# KiCad board 6502.kicad_pcb (continued)
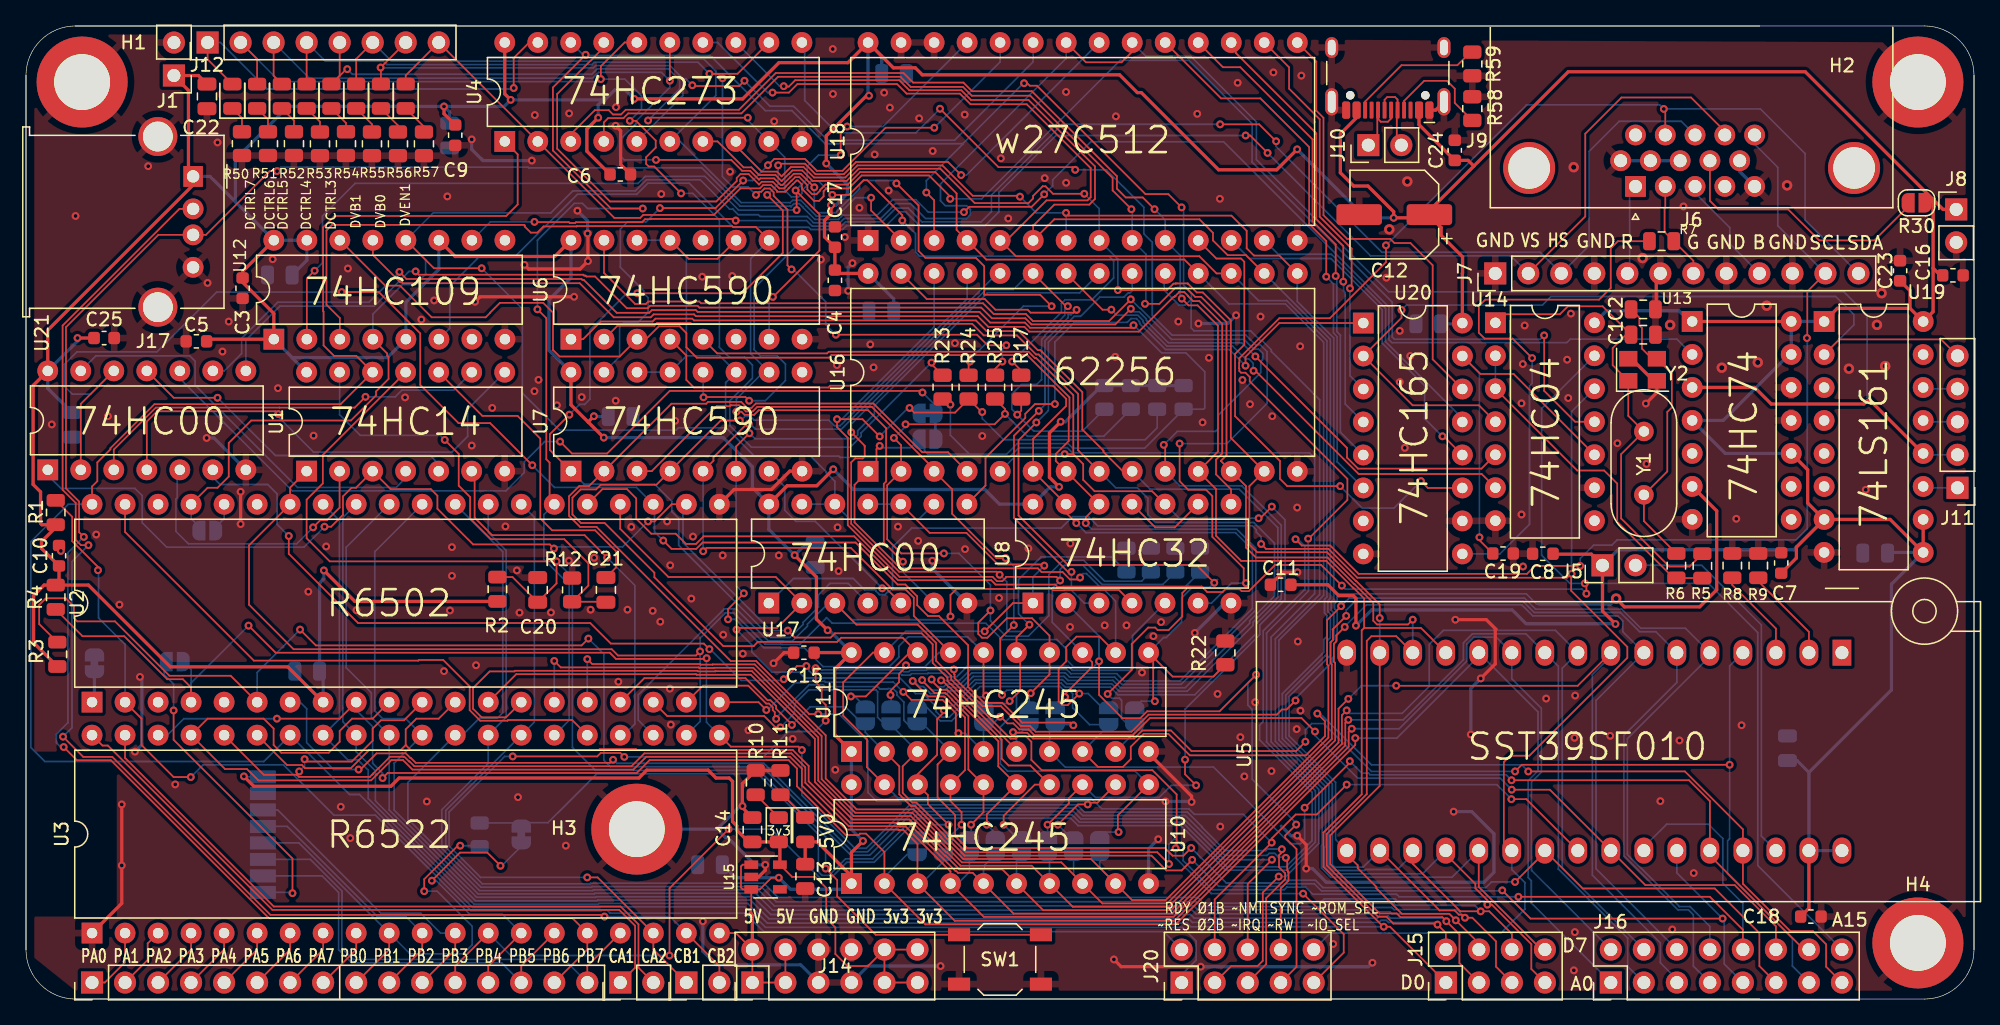
[diagram p0: board, top side]
## Routing (per net, layer and track width the routed paths; a pad name or vN(x,y) marks a point on that pad's centre or on a via; arc(x,y) is an arc through that point) (continued)
SYNC: length 93.9
  Top w0.13: v1(96.92,10.88) 97.03,10.77 97.03,9.9 97.1,9.83 97.1,9.82 97.11,9.8 97.11,9.77 97.12,9.76 97.12,9.12 96.52,8.52 J20.8 ; v1(25.58,17.67) 25.72,17.67 26.97,18.92 28.94,18.92 28.94,18.92 29.21,18.92 29.58,18.56 29.61,18.56 29.98,18.19 44.93,18.19 v1(45.16,18.42)
  Bottom w0.13: v1(25.58,17.67) 23.66,17.67 21.59,19.74 21.59,22.35 21.08,22.86 ; v1(96.92,10.88) 96.86,10.93 96.34,10.93 96.05,11.22 95.64,11.22 95.48,11.06 92.24,11.06 91.76,11.54 91.76,11.57 89.19,14.13 81.3,14.13 80.73,14.7 68.11,14.7 64.74,11.34 63.58,11.34 56.77,18.15 45.43,18.15 v1(45.16,18.42)
VB0: length 67.4
  Top w0.13: DVB0.2 27.31,71.65 ; 27.31,71.65 27.28,71.68 v1(27.28,71.73) ; 27.31,71.65 27.31,71.75 J12.7 ; v1(55.27,70.71) 54.87,70.31 51.32,70.31 v1(51.26,70.37)
  Bottom w0.13: v1(55.27,70.71) 57.24,68.75 59.06,68.75 61.67,66.13 71.43,66.13 77.48,72.18 U18.23 ; U4.5 50.54,69.59 50.54,70.87 ; v1(51.26,70.37) 50.75,70.87 50.54,70.87 ; 50.54,70.87 49.53,71.88 43.83,71.88 43.65,71.7 27.31,71.7 v1(27.28,71.73)
VB1: length 60.9
  Top w0.13: U18.2 65.01,60.72 v1(65.01,61.71) ; DVB1.2 25.4,72.39 J12.6
  Bottom w0.13: J12.6 28.11,72.22 43.44,72.22 43.61,72.4 52.13,72.4 53.07,71.45 53.07,69.58 U4.6 50.31,66.04 55.03,61.32 58.79,61.32 58.97,61.51 59.6,61.51 60.04,61.07 60.04,61.06 60.8,60.29 62.39,60.29 63.8,61.71 v1(65.01,61.71)
VEN: length 125.1
  Top w0.13: DVEN1.2 29.21,71.12 J12.8 U4.2 45.26,60.15 47.25,60.15 47.48,60.38 52.92,60.38 54.96,62.42 56.46,62.42 56.71,62.68 57.34,62.68 57.78,62.23 57.78,62.16 58.42,62.16 58.71,62.46 58.71,62.47 59,62.76 59.01,62.76 59.28,63.03 59.39,63.03 59.68,62.74 59.68,62.49 59.7,62.47 59.7,62.38 60.62,61.47 61.01,61.47 61.36,61.81 61.36,62.21 61.57,62.42 63.29,62.42 64.29,63.42 69.47,63.42 71.1,61.79 v1(71.1,61.62) ; v1(116.79,51.1) 116.79,46.84 119.17,44.45 U14.11
  Bottom w0.13: v1(71.1,61.62) 73.51,61.62 84.17,72.28 89.45,72.28 94.32,67.41 94.32,64.44 105.11,53.66 105.11,50.98 105.28,50.8 116.49,50.8 v1(116.79,51.1)
VIACS1: length 29.7
  Top w0.13: 34.51,40.42 34.51,37.06 35.86,35.72 42.97,35.72 v1(44.71,33.98)
  Bottom w0.13: v1(44.71,33.98) 46.84,31.85 46.84,21.18 45.98,20.32
VSYNC: length 126.8
  Top w0.13: 130.63,66.88 128.09,69.42 122.74,69.42 119.95,66.64 119.95,60.26 J7.2 ; v1(95.51,65.16) 94.17,66.5 v1(93.83,66.5)
  Bottom w0.13: J7.2 114.23,57.22 103.45,57.22 v1(95.51,65.16) ; U12.6 32.6,51.64 32.6,54.9 34.82,57.12 37.57,57.12 42.42,61.97 46.99,61.97 47.84,62.83 51.02,62.83 54.42,59.43 60.2,59.43 60.37,59.25 62.82,59.25 63.12,59.56 66.18,59.56 67.22,60.61 67.69,60.61 68.79,59.51 73.74,59.51 74.85,60.62 74.85,62.11 79.24,66.5 v1(93.83,66.5)
~{IO_SEL}: length 108.4
  Top w0.13: J20.9 101.37,3.57 101.37,4.99 v1(98.25,8.12) ; v1(88.44,11.6) 88.52,11.68 88.52,15.76 86.66,17.62 78.14,17.62 77.34,18.42 77.34,19.81 76.92,20.24 76.32,20.24 76.14,20.06 75.73,20.06 75.6,20.19 75.59,20.19 71.18,24.6 71.18,24.88 70.01,26.05 70.01,27.42 68.6,28.83 63.88,28.83 U17.3 ; v1(71.12,29.46) 71.12,31.11 71.58,31.58 78.91,31.58 79.01,31.48 79.87,31.48 79.89,31.5 84.07,31.5 U8.4
  Bottom w0.13: v1(71.12,29.46) 70.87,29.21 63.51,29.21 U17.3 ; v1(98.25,8.12) 91.2,8.12 88.44,10.87 v1(88.44,11.6) ; 61.74,30.49 60.12,28.87 60.12,28.72 58.97,27.57 58.27,27.57 58.26,27.57 58.17,27.57 58.17,27.58 57.1,27.58 54.7,29.98 54.67,29.98 54.6,30.05 53.73,30.05 47.1,23.42 47.1,21.48 U3.23
~{IRQ}: length 131.4
  Top w0.13: R4.2 4.35,27.94 7.56,27.94 10.87,24.62 12.07,24.62 12.7,23.99 U2.4 ; U3.21 54.22,19.44 59.43,19.44 v1(59.69,19.17) ; v1(52.36,26.25) 52.31,26.19 45.38,26.19 44.91,26.67 19.2,26.67 v1(17.12,28.75) ; J20.5 95.4,2.68 95.4,7.76 96.86,9.22 96.86,9.68 96.39,10.15 96.39,11.07 96.53,11.21 96.53,11.46 v1(96.61,11.54)
  Bottom w0.13: v1(59.69,19.17) 59.69,19.17 59.69,15.69 63.78,11.61 64.64,11.61 68,14.96 80.85,14.96 81.42,14.39 89.35,14.39 90.47,13.27 90.47,13.22 92.02,11.67 92.02,11.65 92.24,11.43 95.38,11.43 95.51,11.55 96.59,11.55 v1(96.61,11.54) ; U3.21 52.35,21.31 52.35,26.23 v1(52.36,26.25) ; R29.2 12.7,25.37 U2.4 12.7,24.33 v1(17.12,28.75)
~{NMI}: length 129
  Top w0.13: R3.2 1.02,28.88 1.02,30.35 1.52,30.86 3.05,30.86 3.68,30.23 3.68,29.34 3.94,29.08 6.84,29.08 11.04,24.89 15.75,24.89 U2.6 ; v1(43.26,27.76) 42.74,27.23 22.3,27.23 v1(21.08,28.45) ; J20.6 93.98,8.87 v1(95.85,10.73)
  Bottom w0.13: U2.6 17.78,25.15 v1(21.08,28.45) ; v1(43.26,27.76) 44.46,26.56 44.46,18.38 44.95,17.89 56.64,17.89 63.46,11.08 64.9,11.08 68.27,14.44 80.58,14.44 81.15,13.87 89.06,13.87 92.2,10.73 v1(95.85,10.73)
~{RES}: length 184.5
  Top w0.13: U2.40 5.08,39.47 5.49,39.88 5.49,41.32 6.49,42.33 6.49,42.42 9.88,45.81 24.2,45.81 U1.12 25.41,49.53 23.69,49.53 22.89,50.33 22.89,52.94 22.85,52.98 22.85,59.42 23.74,60.3 36.94,60.3 37.82,61.18 37.82,65.05 U4.1
  Bottom w0.13: U2.40 3.25,38.1 0.38,35.23 0.38,19.36 1.45,18.29 18.29,18.29 U3.34 24.89,15.75 25.65,15.75 34.35,7.05 44.14,7.05 44.19,7.1 55.31,7.1 56.89,5.52 88.97,5.52 90.02,4.47 90.02,3 88.9,1.88
~{ROM_SEL}: length 135.6
  Top w0.13: 118.87,32.77 118.87,31.44 123.19,27.12 123.19,26.28 115.65,18.74 114.17,18.74 113.69,18.25 113.69,12.04 U5.22 ; 118.87,32.77 118.55,32.45 102.42,32.45 100.2,34.66 95.39,34.66 v1(95.02,35.04) ; 118.87,32.77 v1(118.9,32.74)
  Bottom w0.13: U14.12 118.9,45.23 v1(118.9,32.74) ; U17.1 59.03,32.38 63.64,32.38 64.51,31.51 65.37,31.51 65.37,31.42 65.66,31.13 66.07,31.13 66.3,31.36 66.37,31.36 66.66,31.65 66.66,34.8 68.13,36.27 79.64,36.27 80.52,37.15 81.73,37.15 82.44,36.43 94.35,36.43 94.65,36.13 94.65,35.95 95.02,35.58 v1(95.02,35.04) ; J20.10 100.34,5.08 104.25,5.08 104.26,5.07 104.53,5.07 104.54,5.08 113.48,5.08 115.32,6.92 115.32,8.95 114.3,9.97 U5.22
~{RW}: length 143.2
  Top w0.13: v1(51.85,26.77) 51.54,26.45 45.54,26.45 45.06,26.94 20.58,26.94 17.16,30.36 17.16,34.94 U2.34 20.32,39.39 U1.1 ; v1(82.55,26.01) 82.55,23.42 84.34,21.63 85.72,21.63 86.25,22.16 91.82,22.16 v1(94.63,24.97) ; J20.7 97.74,2.48 97.74,11.54 96.87,12.41 96.87,12.59 v1(97.72,13.43)
  Bottom w0.13: v1(82.55,26.01) 82.55,26.16 82.55,26.16 82.55,27.95 ; v1(97.72,13.43) 97.72,13.54 94.33,16.92 94.33,22.3 94,22.63 94,24.34 v1(94.63,24.97) ; 51.87,26.67 51.87,26.38 51.87,26.37 51.87,21.39 U3.22 ; 51.87,26.67 51.85,26.68 v1(51.85,26.77) ; 51.87,26.67 51.87,27.8 53.8,29.73 54.21,29.73 54.22,29.72 54.46,29.72 56.87,27.32 58.06,27.32 58.06,27.31 58.15,27.31 58.16,27.31 59.53,27.31 61.59,29.37 62.02,28.94 73.83,28.94 75.09,27.68 79.3,27.68 80.06,26.92 80.06,26.11 80.6,25.58 82.12,25.58 82.55,26.01 82.55,27.95 ; 82.55,27.95 U8.2
~{VCRST}: length 86.7
  Top w0.13: v1(67.46,33.68) 65.99,35.15 65.99,39.67 66.17,39.85 66.17,43.95 64.78,45.34 56.37,45.34 56.02,44.99 55.28,44.99 55.04,45.23 v1(54.65,45.23) ; U12.3 24.14,52.44 23.11,53.47 23.11,59.18 23.55,59.61 38.33,59.61 38.37,59.57 38.37,59.49 38.84,59.02 39.33,59.02 39.81,59.49 42.37,59.49 42.39,59.52 54.33,59.52 54.39,59.45 56.14,59.45 U6.10
  Bottom w0.13: v1(67.46,33.68) 67.46,32.87 U17.6 ; 56.72,48.27 54.65,46.2 v1(54.65,45.23) ; U6.10 55.75,57.01 55.75,49.69 U7.10
Ø1B: length 114.5
  Top w0.13: U17.10 69.51,35.9 72.34,35.9 74.78,33.46 78.25,33.46 v1(78.34,33.37) ; v1(101.6,16.51) 99.3,14.21 97.68,14.21 95.83,12.36 v1(95.83,12.05) 91.45,7.66 J20.4 ; U11.19 65.16,26.68 62.87,24.38 62.87,21.82 64.7,19.99 64.7,17.85 U10.19 ; U8.1 75.93,30.49 v1(73.75,28.32) ; U5.24 115.42,15.39 v1(114.27,15.39)
  Bottom w0.13: v1(101.6,16.51) 113.15,16.51 v1(114.27,15.39) ; v1(78.34,33.37) 77.46,32.5 U8.1 ; U11.19 67.68,28.32 v1(73.75,28.32) ; U17.11 U17.10 ; v1(95.83,12.05) 93.66,14.22 89.89,14.22 89.46,14.65 82.75,14.65 81.92,15.48 67.07,15.48 U10.19
Ø2: length 45.3
  Top w0.13: U3.25 42.01,21.49 37.09,21.49 37.04,21.43 34.94,21.43 34.13,22.24 34.13,24.06 34.14,24.06 32.09,26.11 30.23,26.11 30.18,26.06 17.53,26.06 7.62,35.97 U2.39
Net-(3v3-K): length 2.5
  Top w0.13: 3v3.1 56.15,15.73
Net-(5V0-K): length 2.5
  Top w0.13: 5V0.1 58.19,15.73
Net-(C1-Pad1): length 35.4
  Top w0.13: R5.2 127.98,33.31 126.41,33.31 122.71,37.01 122.71,41.96 Y1.1 123.26,44.91 Y2.1 122.06,48.81 122.06,50.12 123.1,51.16 ; C1.1 121.29,53.34 118.61,53.34 118,52.73 113.7,52.73
Net-(C2-Pad1): length 21.9
  Top w0.13: C2.1 124.11,52.47 124.11,51.88 124.31,51.68 124.31,50.09 125.09,49.31 ; R6.2 124.46,36.81 Y1.2 126.26,40.63 126.26,45.21 126.61,45.56 126.61,48.16 Y2.3
Net-(C20-Pad1): length 102.6
  Top w0.13: v1(61.52,10.05) 62.4,9.16 62.4,7.91 65.37,4.95 SW1.2 SW1.2 ; R2.2 37.43,32.49 C20.1 40.81,32.01 v1(40.81,33.7) 23.37,33.7 21.59,35.48 21.59,38.46 22.83,39.7 22.83,41.9 U1.11
  Bottom w0.13: v1(61.52,10.05) 61.52,12.48 56.4,17.61 43.81,17.61 42.04,19.38 42.04,32.48 v1(40.81,33.7)
Net-(C21-Pad1): length 36.1
  Top w0.13: 45.13,30.59 R12.1 43.26,31.84 43.26,33.55 41.41,35.41 35.76,35.41 34.16,37.01 34.16,38.66 33.29,39.53 33.29,41.98 v1(32.21,43.06)
  Bottom w0.13: U1.13 24.12,45 25.71,43.41 31.86,43.41 v1(32.21,43.06)
Net-(C21-Pad2): length 25.3
  Top w0.13: C21.2 45.39,33.23 45.39,34.48 43.78,36.1 40.47,36.1 39.56,37.01 39.56,43.16 37.81,44.91 35.11,44.91 U1.10
Net-(DCTRL3-K): length 2.3
  Top w0.13: DCTRL3.1 24.61,67.46 24.61,66.78
Net-(DCTRL4-K): length 2.2
  Top w0.13: DCTRL4.1 22.61,67.56 R53.2
Net-(DCTRL5-K): length 2.2
  Top w0.13: DCTRL5.1 20.61,67.65 20.61,66.78
Net-(DCTRL6-K): length 2.1
  Top w0.13: 18.61,66.78 18.61,67.75 DCTRL6.1
Net-(DCTRL7-K): length 2.1
  Top w0.13: DCTRL7.1 16.61,67.84 16.61,66.78
Net-(DVB0-K): length 2.4
  Top w0.13: R56.2 28.61,67.27 DVB0.1
Net-(DVB1-K): length 2.3
  Top w0.13: DVB1.1 26.61,67.37 R55.2
Net-(DVEN1-K): length 2
  Top w0.13: 30.61,67.18 DVEN1.1
Net-(J2-Pin_1): length 5.4
  Top w0.13: J2.1 6.06,1.27 7.62,2.83 U3.2
Net-(J2-Pin_2): length 4.9
  Top w0.13: J2.2 9.36,3.01 9.36,4.28 U3.3
Net-(J2-Pin_3): length 4.9
  Top w0.13: J2.3 12.7,3.81 U3.4
Net-(J2-Pin_4): length 4.9
  Top w0.13: J2.4 15.24,3.81 U3.5
Net-(J2-Pin_5): length 4.9
  Top w0.13: U3.6 17.78,3.81 J2.5
Net-(J2-Pin_6): length 4.9
  Top w0.13: U3.7 20.32,3.81 J2.6
Net-(J2-Pin_7): length 4.9
  Top w0.13: J2.7 22.86,3.81 U3.8
Net-(J2-Pin_8): length 4.9
  Top w0.13: U3.9 25.4,3.81 J2.8
Net-(J2-Pin_13): length 22.2
  Top w0.13: J2.13 35.56,2.54 U3.14 ; v1(31.22,9.11) 33.39,11.28 35.49,11.28 v1(36.5,10.26)
  Bottom w0.13: U3.14 36.65,6.53 34.13,6.53 31.55,9.11 v1(31.22,9.11) ; v1(36.5,10.26) 36.6,10.26 38.1,11.76
Net-(J3-Pin_1): length 52.7
  Top w0.13: J3.1 46.86,2.41 46.86,5.65 45.64,6.86 18.96,6.86 6.3,19.52 5.88,19.52 U3.40
Net-(J3-Pin_2): length 51.5
  Top w0.13: J3.2 47.12,2.41 47.12,5.75 45.75,7.12 19.06,7.12 7.62,18.57 U3.39
Net-(J5-Pin_2): length 29.4
  Bottom w0.13: U5.30 133.5,12.55 133.5,28.8 128.9,33.4 J5.2
Net-(J6-Pad9): length 20.8
  Top w0.13: 144.84,61.07 142.19,58.42 137.95,58.42 135.56,60.81 130.2,60.81 129.54,61.46 J6.9
Net-(J9-CC1): length 8.5
  Top w0.13: R58.1 109.91,69.01 109.91,70.11 109.31,70.71 107.56,70.71 106.01,69.16 J9.A5
Net-(J9-CC2): length 10.3
  Top w0.13: 111.06,72.86 110.11,71.91 105.81,71.91 103.01,69.11 J9.B5
Net-(J10-Pin_1): length 4.5
  Top w0.13: J9.B6 104.01,67.76 104.22,67.56 104.77,67.56 105.01,67.8 J9.A6 ; 103.96,68.39 103.96,66.45
Net-(J10-Pin_2): length 5.1
  Top w0.13: J9.A7 104.51,69.25 104.72,69.46 105.32,69.46 105.51,69.26 J9.B7 ; 105.46,68.39 105.46,66.1
Net-(R5-Pad1): length 26
  Top w0.13: R5.1 126.98,32.42 ; 126.74,32.43 122.41,36.76 122.41,39.69 121.4,40.7 119.34,40.7 U14.3
  Bottom w0.13: U14.3 U14.2
Net-(R26-A): length 70.6
  Top w0.13: v1(41.09,42.92) 42,42.01 44.71,42.01 49.53,46.83 68.84,46.83 v1(68.96,46.71)
  Bottom w0.13: 11.83,47.78 20.48,39.13 36.92,39.13 38.33,40.55 38.33,41.36 39.9,42.92 v1(41.09,42.92) ; R27.1 70,45.67 v1(68.96,46.71) ; 69.91,43.19 69.91,44.59
Net-(R26-B): length 95.4
  Top w0.13: v1(79.94,23.26) 79.94,23.49 82.02,25.58 82.02,25.94 U11.13 ; v1(79.55,32.23) 79.28,32.51 75.4,32.51 75.4,32.47 75.11,32.18 74.7,32.18 74.36,32.51 67.2,32.51 63.22,36.49 63.22,43.21 62.39,44.04 v1(62.39,44.65) 64.35,44.65 v1(65.67,43.32) ; v1(67.97,45.52) 68.33,45.16 71.46,45.16 R24.2 73.51,45.21 v1(73.56,45.21)
  Bottom w0.13: v1(79.94,23.26) 79.94,23.19 R44.2 ; R20.2 87.02,43.99 86.1,43.07 75.2,43.07 73.56,44.71 v1(73.56,45.21) ; v1(62.39,44.65) 62.76,44.65 69.86,51.75 U16.26 ; 68.33,45.16 v1(67.97,45.52) 67.87,45.52 v1(65.67,43.32) ; R14.2 87.45,31.92 82.78,31.92 81.31,33.4 79.88,33.4 79.55,33.07 v1(79.55,32.23) 78.95,31.63 78.95,29.01 U11.13
Net-(R27-B): length 172.6
  Top w0.13: v1(81.09,32.46) 80.94,32.31 80.31,32.31 79.74,32.88 78.13,32.88 77.84,33.17 67.28,33.17 63.74,36.7 63.74,39.59 U16.1 ; v1(85.2,51.89) 85,51.69 77.25,51.69 76.84,52.09 74.17,52.09 73.35,52.91 51.66,52.91 51.52,53.05 48.15,53.05 47.94,52.84 45.44,52.84 42.91,55.38 42.8,55.38 42.73,55.45 29.27,55.45 v1(28.73,55.99) ; 65.43,41.29 65.43,42.35 v1(65.67,42.59) ; 70.95,45.77 v1(71.11,45.77) ; U11.12 82.59,27.91 80.81,27.91 80.01,27.11 80.01,26 79.44,25.42 79.44,22.92 79.73,22.63 80.14,22.63 81.03,23.52 v1(81.03,23.52)
  Bottom w0.13: 82.85,31.62 82.72,31.62 81.58,32.76 81.3,32.76 81.09,32.55 v1(81.09,32.46) ; 82.85,31.62 89.05,31.62 R13.2 ; 82.85,31.62 83.82,30.65 U11.12 ; 69.13,42.95 69.13,42.2 69.36,41.97 72.56,41.97 ; v1(81.03,23.52) 81.72,23.52 82.73,22.51 ; v1(71.11,45.77) 71.11,43.42 72.56,41.97 ; 72.56,41.97 75.45,41.97 76.25,42.77 80.17,42.77 80.52,42.42 86.05,42.42 R21.2 90.58,45.42 90.68,45.52 90.68,48.31 89.23,49.76 87.36,49.76 85.24,51.89 v1(85.2,51.89) ; v1(28.73,55.99) 26.39,53.66 19.37,53.66 16.58,50.87 16.58,49.7 15.25,48.37 14.37,48.37 ; v1(65.67,42.59) 65.81,42.46 68.06,42.46 R27.2
Net-(R28-B): length 2.2
  Bottom w0.25: R28.2 5.26,23.04
Net-(U1-Pad2): length 21.5
  Top w0.13: U1.2 24.12,37.84 23.15,36.87 22.63,36.87 v1(22.08,36.32)
  Bottom w0.13: v1(22.08,36.32) 20.82,35.06 12.49,35.06 11.53,36.02 11.53,38.5 11.63,38.61 11.63,40.55
Net-(U1-Pad4): length 31.1
  Bottom w0.13: 29.2,40.12 28.48,39.39 20.88,39.39 13.01,47.27 13.01,49.12 12.6,49.52 5.37,49.52 4.21,48.37
Net-(U1-Pad5): length 25.4
  Top w0.13: 9.29,48.37 11.36,46.3 v1(14.73,46.3)
  Bottom w0.13: 31.75,41.2 31.09,41.86 19.18,41.86 v1(14.73,46.3)
Net-(U1-Pad8): length 36.8
  Top w0.13: 9.29,40.75 9.29,44.47 10.09,45.26 19.19,45.26 v1(19.41,45.04)
  Bottom w0.13: v1(19.41,45.04) 19.41,44.83 22.12,42.12 32.77,42.12 33.98,43.32 33.98,45.42 U1.8
Net-(U1-Pad9): length 31.6
  Top w0.13: v1(26.12,46.37) 25.28,45.54 19.51,45.54 19.5,45.55 9.99,45.55 6.75,42.31 U21.3
  Bottom w0.13: U1.9 32.91,46.89 28.93,46.89 28.41,46.37 v1(26.12,46.37)
Net-(U2-NC/BE): length 2.1
  Bottom w0.13: 14.57,36.32 15.24,36.99 U2.36
Net-(U4-Cp): length 84.1
  Top w0.13: v1(70.31,68.56) 74.81,64.06 80.51,64.06 v1(80.71,63.86) ; v1(88.75,42.77) 88.75,39.88 89.41,39.22 90.78,39.22 91.26,38.73 91.26,35.59 93.68,33.17 93.68,32.2 v1(93.85,32.03)
  Bottom w0.13: v1(93.85,32.03) 92.74,32.03 91.2,30.49 U8.6 ; v1(70.31,68.56) 68.45,66.69 62.4,66.69 59.91,69.19 59.91,73.66 ; v1(88.75,42.77) 92.38,42.77 95.47,45.86 95.47,49.85 94.95,50.38 94.59,50.38 93.85,51.12 88.17,51.12 86.65,52.65 86.65,58.28 86,58.92 86,60.96 83.11,63.86 v1(80.71,63.86)
Net-(U5-A15): length 7.2
  Top w0.13: R8.1 131.26,31.88 134.62,28.53 U5.3
Net-(U5-A16): length 7.1
  Top w0.13: U5.2 137.16,28.27 133.26,32.17
Net-(U6-~{RCO}): length 23.1
  Top w0.13: v1(52.12,46.34) 52.14,46.36 55.34,46.36 v1(55.63,46.07)
  Bottom w0.13: U7.12 52.08,46.37 v1(52.12,46.34) ; U6.9 56.01,54.73 56.01,50.01 56.49,49.53 57.79,49.53 58.42,48.89 58.42,47.62 56.87,46.07 v1(55.63,46.07)
Net-(U8-Pad11): length 6.6
  Top w0.13: U8.11 86.87,36.32 88.38,36.32 U8.9
Net-(U9-IRQ): length 24.2
  Top w0.13: v1(20.5,8.15) 20.5,10.82 11.36,19.96 v1(11.36,22.22)
  Bottom w0.13: 10.63,25.98 10.63,24.98 11.36,24.26 v1(11.36,22.22) ; U9.8 20.44,8.21 v1(20.5,8.15)
Net-(U11-B3): length 92.3
  Top w0.13: v1(76.26,45) 76.56,45.31 R17.2 ; U16.23 80,53.35 v1(80.15,53.35) ; v1(74.9,32.67) 74.67,32.91 67.17,32.91 63.48,36.6 63.48,41.32 63.79,41.63 64.37,41.63 64.52,41.78 64.52,42.61 v1(63.49,43.64) ; U11.15 76.2,27.84 v1(77.19,28.83) ; 76.48,26.4 76.48,23.75 v1(75.68,22.94)
  Bottom w0.13: R16.2 83.51,34.04 78.09,34.04 76.35,32.31 76.35,29.67 v1(77.19,28.83) 76.66,28.3 75.61,28.3 75.46,28.45 75.46,32.12 v1(74.9,32.67) ; 74.01,22.76 75.49,22.76 v1(75.68,22.94) ; R18.2 81.28,43.74 77.52,43.74 v1(76.26,45) 75.85,45.41 75.85,46.58 76.58,47.32 77.75,47.32 78.13,47.7 78.13,50.8 78.37,51.04 78.37,51.11 79.91,52.64 79.91,53.12 v1(80.15,53.35) ; 77.21,55.88 75.98,54.64 73.86,54.64 63.49,44.27 v1(63.49,43.64)
Net-(U11-B4): length 75.1
  Top w0.13: 67.32,41 67.32,42.65 v1(66.76,43.21) ; v1(77.29,23.55) 78.74,25 U11.14 ; v1(70.61,34.31) 67.34,34.31 66.25,35.4 66.25,39.56 U16.2 ; v1(67.66,44.26) 74.51,44.26 v1(75.31,45.06) 75.31,45.44 R25.2 ; 78.74,27.23 78.74,27.98 77.4,29.32 75.46,29.32 73.96,27.82 73.55,27.82 73.26,28.11 73.26,28.98 v1(74.2,29.92)
  Bottom w0.13: R19.2 82.91,43.33 77.04,43.33 v1(75.31,45.06) ; v1(66.76,43.21) 67.66,44.11 v1(67.66,44.26) ; R15.2 85.83,32.18 82.97,32.18 81.37,33.78 79.78,33.78 78.69,32.69 78.69,29.52 77.12,27.95 75.38,27.95 74.2,29.13 v1(74.2,29.92) 74.2,31.89 71.77,34.31 v1(70.61,34.31) ; R43.2 77.17,23.43 v1(77.29,23.55)
Net-(U11-B7): length 61.9
  Top w0.13: 86.72,26.32 86.72,23.06 v1(86.84,22.93) ; U11.11 88.21,24.83 91.35,24.83 R22.2 ; v1(77.73,44.4) 76.35,43.03 76.35,37.23 80.16,33.42 90.05,33.42 v1(91.41,32.06)
  Bottom w0.13: 91.41,32.08 v1(91.41,32.06) ; v1(77.73,44.4) 78.65,45.32 78.65,50.58 80.65,52.58 81.13,52.58 82.61,54.05 84.5,54.05 84.5,54.09 84.79,54.37 84.93,54.37 85.1,54.55 U16.20 ; 91.67,32.31 91.08,31.72 89.74,31.72 88.9,30.88 88.9,29.03 87.71,27.84 87.52,27.84 U11.11 ; R46.2 85.8,22.93 v1(86.84,22.93)
Net-(U12B-~{K}): length 86
  Top w0.13: U12.13 26.69,57.3 28.79,55.19 28.9,55.19 28.98,55.12 42.6,55.12 45.22,52.5 48.06,52.5 48.28,52.72 51.39,52.72 51.53,52.58 73.21,52.58 74.04,51.76 76.81,51.76 77.18,51.39 85.61,51.39 88.29,54.07 88.36,54.07 88.42,54.13 88.42,54.14 88.71,54.43 88.72,54.43 88.74,54.44 89.09,54.44 89.11,54.43 89.12,54.43 89.41,54.14 89.41,54.12 89.78,53.74 90.27,53.74 92.03,51.99 92.03,42.01 91.55,41.54 91.55,40.4 92.7,39.24 U8.8
Net-(U14-Pad5): length 109.1
  Top w0.13: v1(94.58,49.48) 101.62,42.44 101.62,41.69 102.48,40.84 111.97,40.84 U14.5 ; v1(85,53.15) 83.79,51.95 77.35,51.95 76.88,52.42 74.31,52.42 73.49,53.24 51.8,53.24 51.66,53.38 48.01,53.38 47.82,53.19 46.22,53.19 43.78,55.64 43.11,55.64 43.04,55.71 42.94,55.71 42.87,55.78 30.23,55.78 v1(29.97,56.03)
  Bottom w0.13: v1(85,53.15) 85.23,52.92 85.64,52.92 86.18,52.37 86.18,52.27 86.23,52.23 86.23,52.18 87.88,50.54 93.53,50.54 v1(94.58,49.48) ; v1(29.97,56.03) 29.47,56.03 26.79,53.36 19.53,53.36 16.91,50.74 U21.8
Net-(U16-~{OE}): length 40.3
  Top w0.13: v1(94.43,48.38) 94.57,48.38 102.52,40.43 111.99,40.43 U14.6 ; v1(83.49,53.08) 82.81,53.08 U16.22
  Bottom w0.13: v1(83.49,53.08) 83.92,52.66 85.53,52.66 85.93,52.26 85.93,52.17 85.97,52.12 85.97,52.08 87.77,50.28 92.83,50.28 93.81,49.29 94.07,49.29 94.4,48.96 94.4,48.66 94.43,48.63 v1(94.43,48.38)
Net-(U16-~{WE}): length 43.1
  Top w0.13: v1(80.82,53.07) 80.6,52.85 77.28,52.85 77.05,53.08 74.58,53.08 73.76,53.9 69.29,53.9 U16.27 ; v1(77.92,45.29) 76.01,43.38 76.01,37.05 80.16,32.89 v1(80.43,32.89)
  Bottom w0.13: v1(77.92,45.29) 78.39,45.76 78.39,50.69 80.17,52.47 80.17,52.69 80.19,52.7 80.41,52.7 80.77,53.07 v1(80.82,53.07) ; v1(80.43,32.89) 80.42,32.89 80.42,31.49 81.41,30.49 U8.3
Net-(U18-D0): length 38.7
  Top w0.13: U18.11 91.57,57.02 93.47,57.02 93.72,56.77 93.72,50.39 93.01,49.68 93.01,44.88 96.47,41.43 96.47,40.06 97.03,39.5 v1(101.1,39.5) ; v1(107.32,39.88) 107.84,39.36 U20.11
  Bottom w0.13: v1(107.32,39.88) 105.24,37.81 102.78,37.81 v1(101.1,39.5)
Net-(U18-D1): length 27.6
  Top w0.13: v1(108.97,43.33) 109.06,43.33 U20.12
  Bottom w0.13: U18.12 94.11,57.02 100.39,57.02 104.33,53.08 104.33,50.51 107.59,47.25 107.59,44.71 v1(108.97,43.33)
Net-(U18-D2): length 22.4
  Bottom w0.13: U18.13 96.32,57.35 100.43,57.35 104.59,53.19 104.59,50.62 110.5,44.71
Net-(U18-D3): length 34.6
  Top w0.13: U20.14 108.21,49.26 108.21,56.51 106.5,58.22 105.27,58.22 104.96,58.53 101.64,58.53 99.81,60.36 99.81,67.86 99.26,68.41 99.26,72.19 U18.15
Net-(U18-D4): length 29.9
  Top w0.13: v1(101.85,54.72) 101.98,54.85 101.98,57.79 99.52,60.25 99.52,67.75 97.17,70.1 97.17,71.75 U18.16
  Bottom w0.13: U20.3 101.85,48 v1(101.85,54.72)
Net-(U18-D5): length 33.4
  Top w0.13: 93.07,73.66 93.07,72.86 99.26,66.66 99.26,60.06 101.34,57.98 v1(101.34,55.24)
  Bottom w0.13: v1(101.34,55.24) 101.34,55.2 101.49,55.05 101.36,54.93 101.36,54.52 101.49,54.39 101.49,45.83 U20.4
Net-(U18-D6): length 37.8
  Top w0.13: v1(100.76,55.68) 100.76,58.1 98.97,59.89 98.97,66.2 93.41,71.76 92.08,71.76 U18.18
  Bottom w0.13: U20.5 101.12,43.65 101.12,51.12 100.84,51.4 100.84,55.44 100.86,55.46 100.86,55.58 v1(100.76,55.68)
Net-(U18-D7): length 42.4
  Top w0.13: v1(100.03,55.62) 100.03,58.36 98.71,59.68 98.71,65.61 94.96,69.36 91.94,69.36 U18.19
  Bottom w0.13: U20.6 100.86,41.37 100.86,51.01 100.58,51.29 100.58,55.07 v1(100.03,55.62)
Net-(U20-Q7): length 42.9
  Top w0.13: v1(115.86,49.36) 114.36,50.86 112.21,50.86 111.76,51.31 111.76,53.36 112.26,53.86 121.01,53.86 121.91,54.76 121.91,57.81 122.46,58.36 R7.2
  Bottom w0.13: v1(115.86,49.36) 115.86,47.41 115.66,47.21 115.66,36.56 113.38,34.28 U20.9
Net-(U20-~{CE}): length 29.5
  Top w0.13: U20.15 111.88,48.13 114.44,48.13 U14.10 ; C19.1 111.81,35.33 v1(111.81,35.56)
  Bottom w0.13: U20.15 111.81,48.2 v1(111.81,35.56)
Net-(U20-~{PL}): length 44
  Top w0.13: v1(93.82,48.77) 93.82,49.45 96.42,52.06 U20.1 ; v1(79.15,45.81) 77.62,45.81 76.87,45.07 76.87,44.75 73.81,41.69 73.81,39.54 U17.8
  Bottom w0.13: v1(93.82,48.77) 92.57,50.02 87.67,50.02 85.71,51.97 85.71,52.01 85.67,52.06 85.67,52.15 85.42,52.4 85.01,52.4 84.72,52.11 80.66,52.11 79.15,50.6 v1(79.15,45.81)
Net-(U21-Pad6): length 87.1
  Top w0.13: v1(60.03,25.64) 59.31,25.64 v1(58.29,24.62) ; v1(20.21,35.66) 20.21,34.28 25.54,28.95 43.41,28.95 44.99,27.37 52.14,27.37 v1(52.57,26.94)
  Bottom w0.13: 14.37,40.19 14.93,39.62 18.59,39.62 19.31,38.9 19.31,36.56 v1(20.21,35.66) ; v1(60.03,25.64) 60.25,25.43 60.25,25.27 60.54,24.98 61,24.98 61.1,25.08 67.25,25.08 67.39,24.94 68.01,24.94 68.13,25.06 69.36,25.06 69.4,25.1 70.62,25.1 70.91,24.81 71.6,24.81 72.42,25.63 80.18,25.63 80.49,25.32 84.93,25.32 85.12,25.51 85.12,27.99 U8.5 ; v1(52.57,26.94) 52.62,26.94 55.03,24.53 58.2,24.53 v1(58.29,24.62)

## Copper pours and planes (outline as drawn; the poured copper is in the pictures)
GND on Top: 0.64,71.75 3.17,74.3 147.32,73.66 149.23,72.39 149.23,3.17 146.69,0.63 3.81,0.63 0.64,3.17
GND on Bottom: 0.64,3.81 5.08,0 146.05,0.63 149.23,3.81 149.23,71.12 146.05,73.66 3.81,74.3 0.64,71.12

## Text on the board
B.Silkscreen: GND / 5V | 5V / GND | ABNielsen.com 6502 SBC Rev 2
F.Silkscreen: RDY Ø1B ~NMI SYNC ~ROM_SEL / ~RES Ø2B ~IRQ ~RW  ~IO_SEL | PB0 PB1 PB2 PB3 PB4 PB5 PB6 PB7 | PA0 PA1 PA2 PA3 PA4 PA5 PA6 PA7 | CA1 CA2 CB1 CB2 | 5V  5V  GND GND 3v3 3v3 | VS HS | D0 | GND | D7 | A0 | R | G | B | SCL | A15 | SDA
